# Altium PCB PCB2.PcbDoc (part 1 of 2)
Units mm, origin at the board's own origin, x right, y up, seen from the top; angles counter-clockwise.
Board outline 141.51 x 108.51 mm, 4 copper layers (L1 (Signal), L2 (GND), L3 (GND), L4 (Signal)), stack 1.605 mm thick; 124 components, 111 nets, 456 pads, 199 vias.
Unrouted connection lines stored in the file: 77.
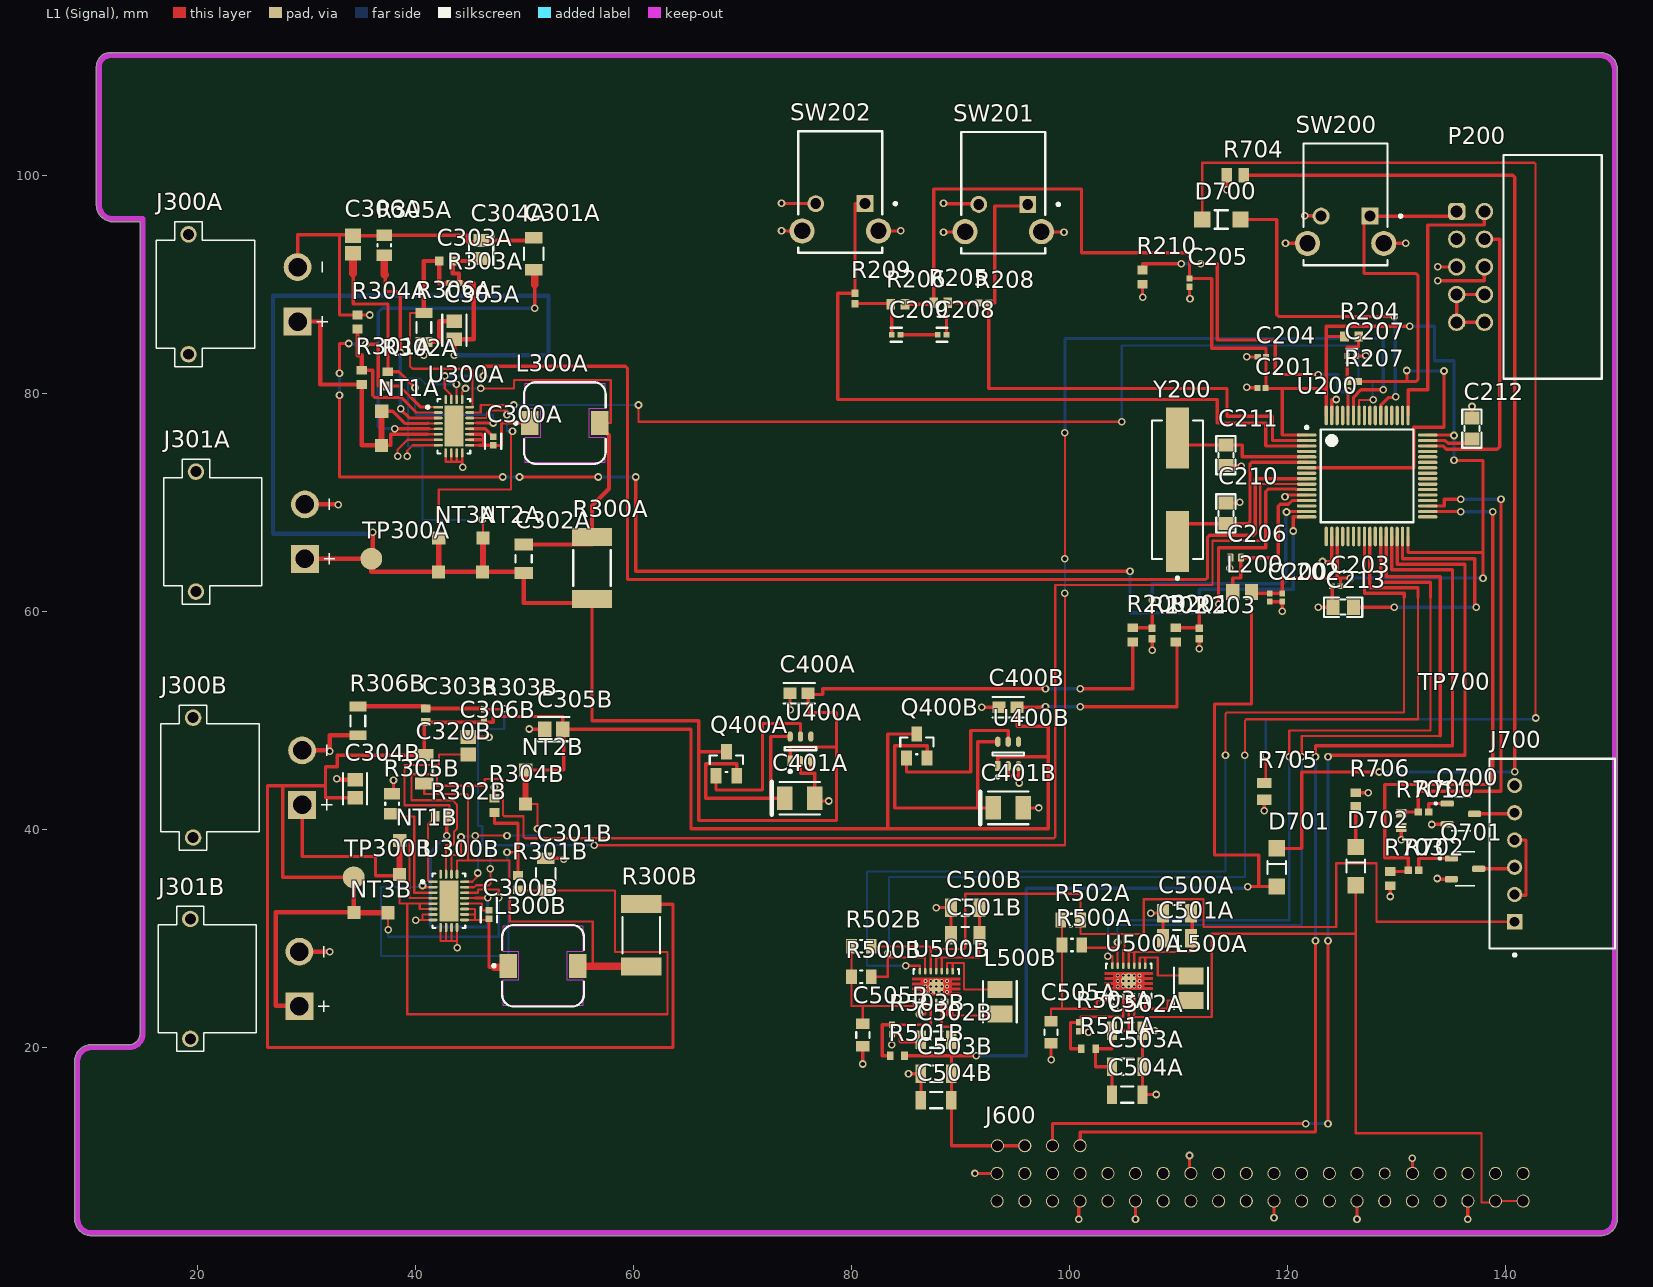
[diagram p0: L1 (Signal) view]
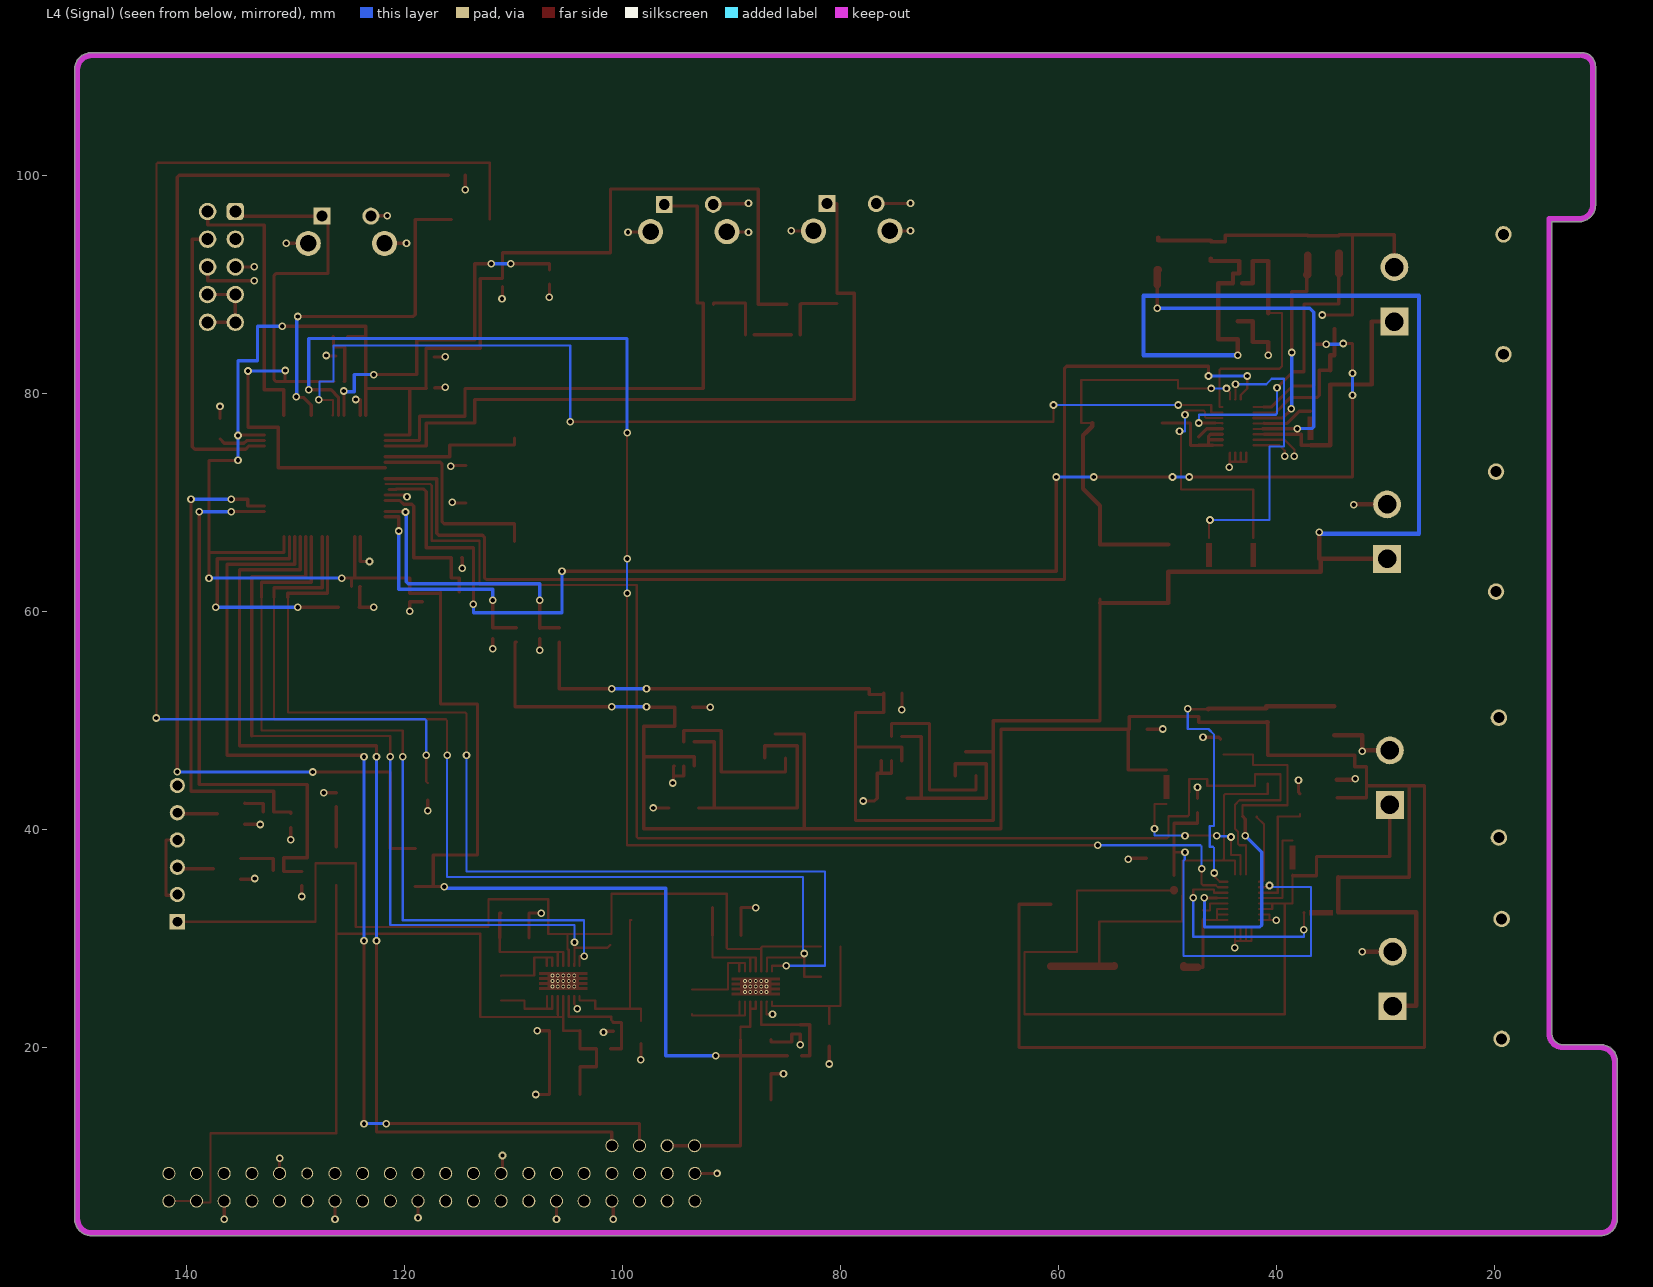
[diagram p1: L4 (Signal) view, seen from below]
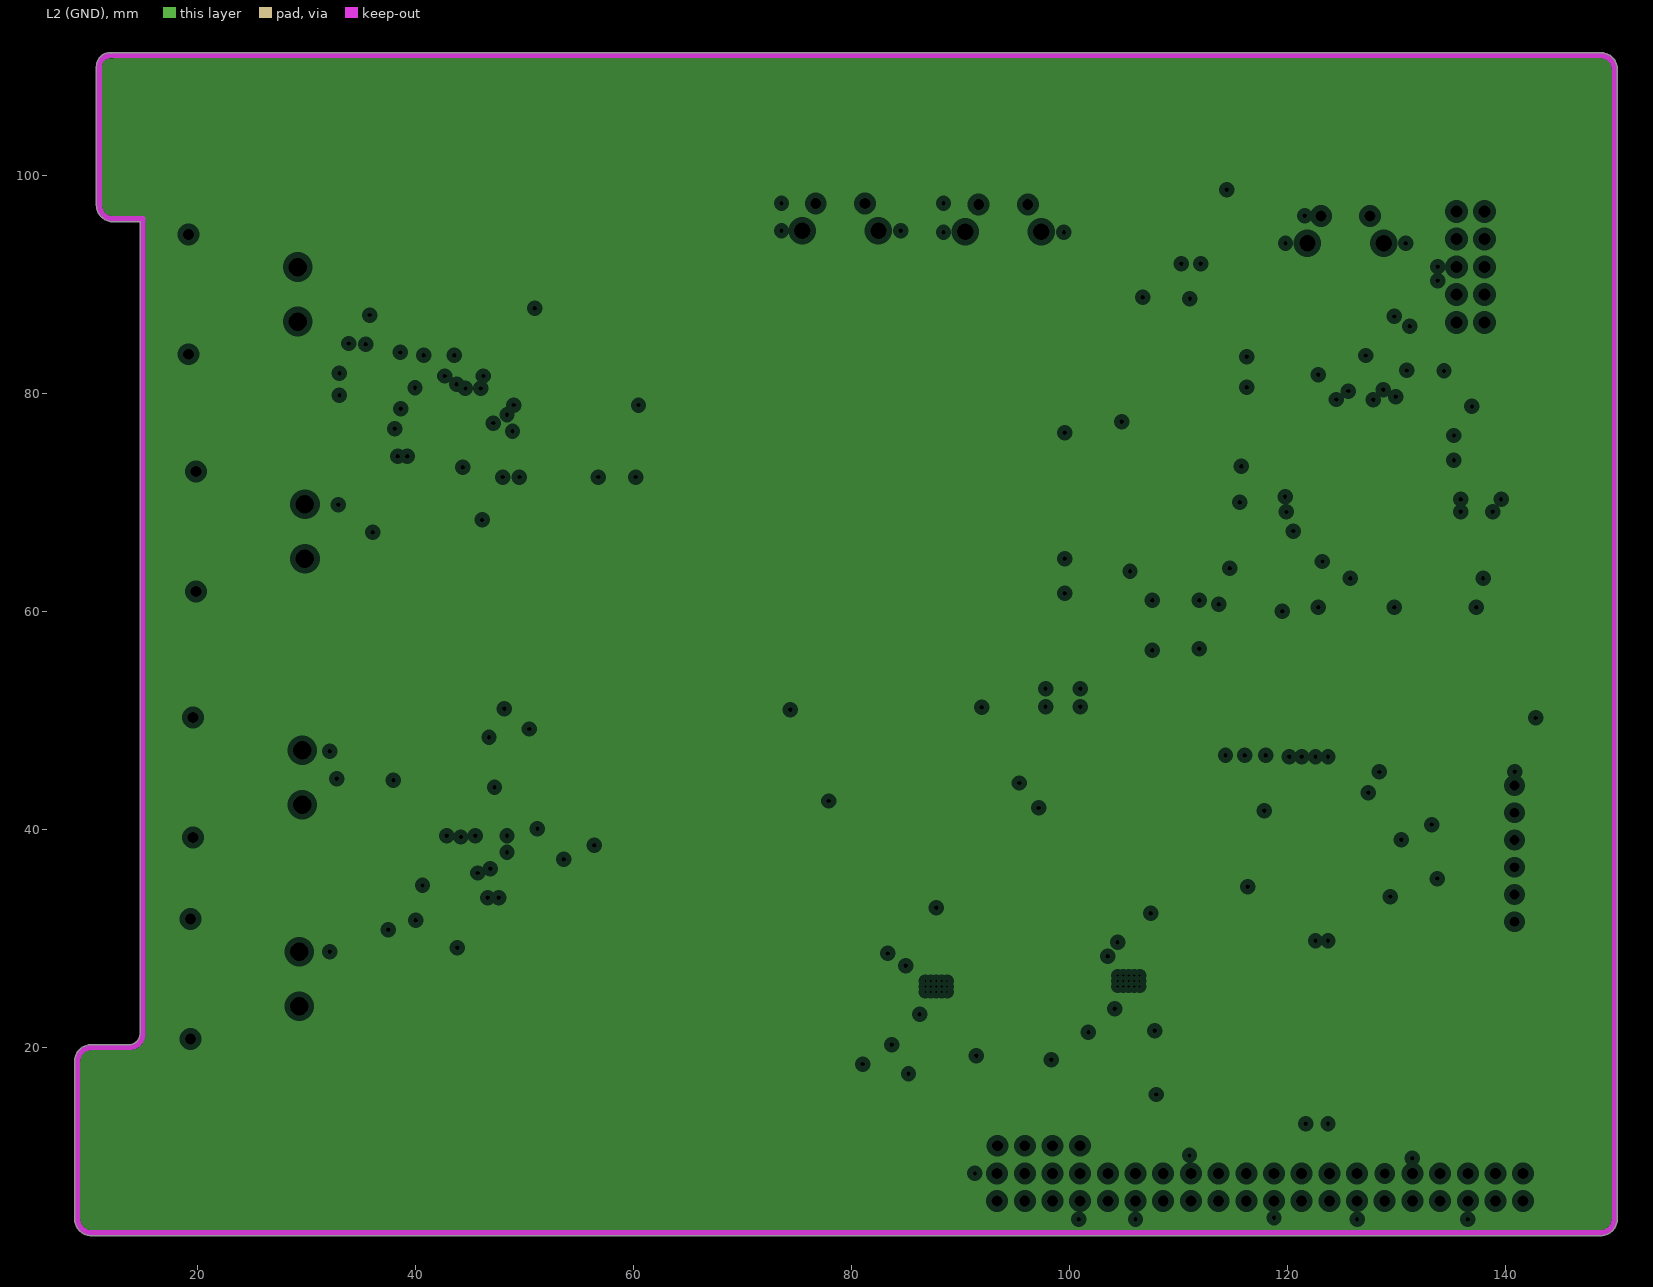
[diagram p2: L2 (GND), clearances drawn from the general rule]
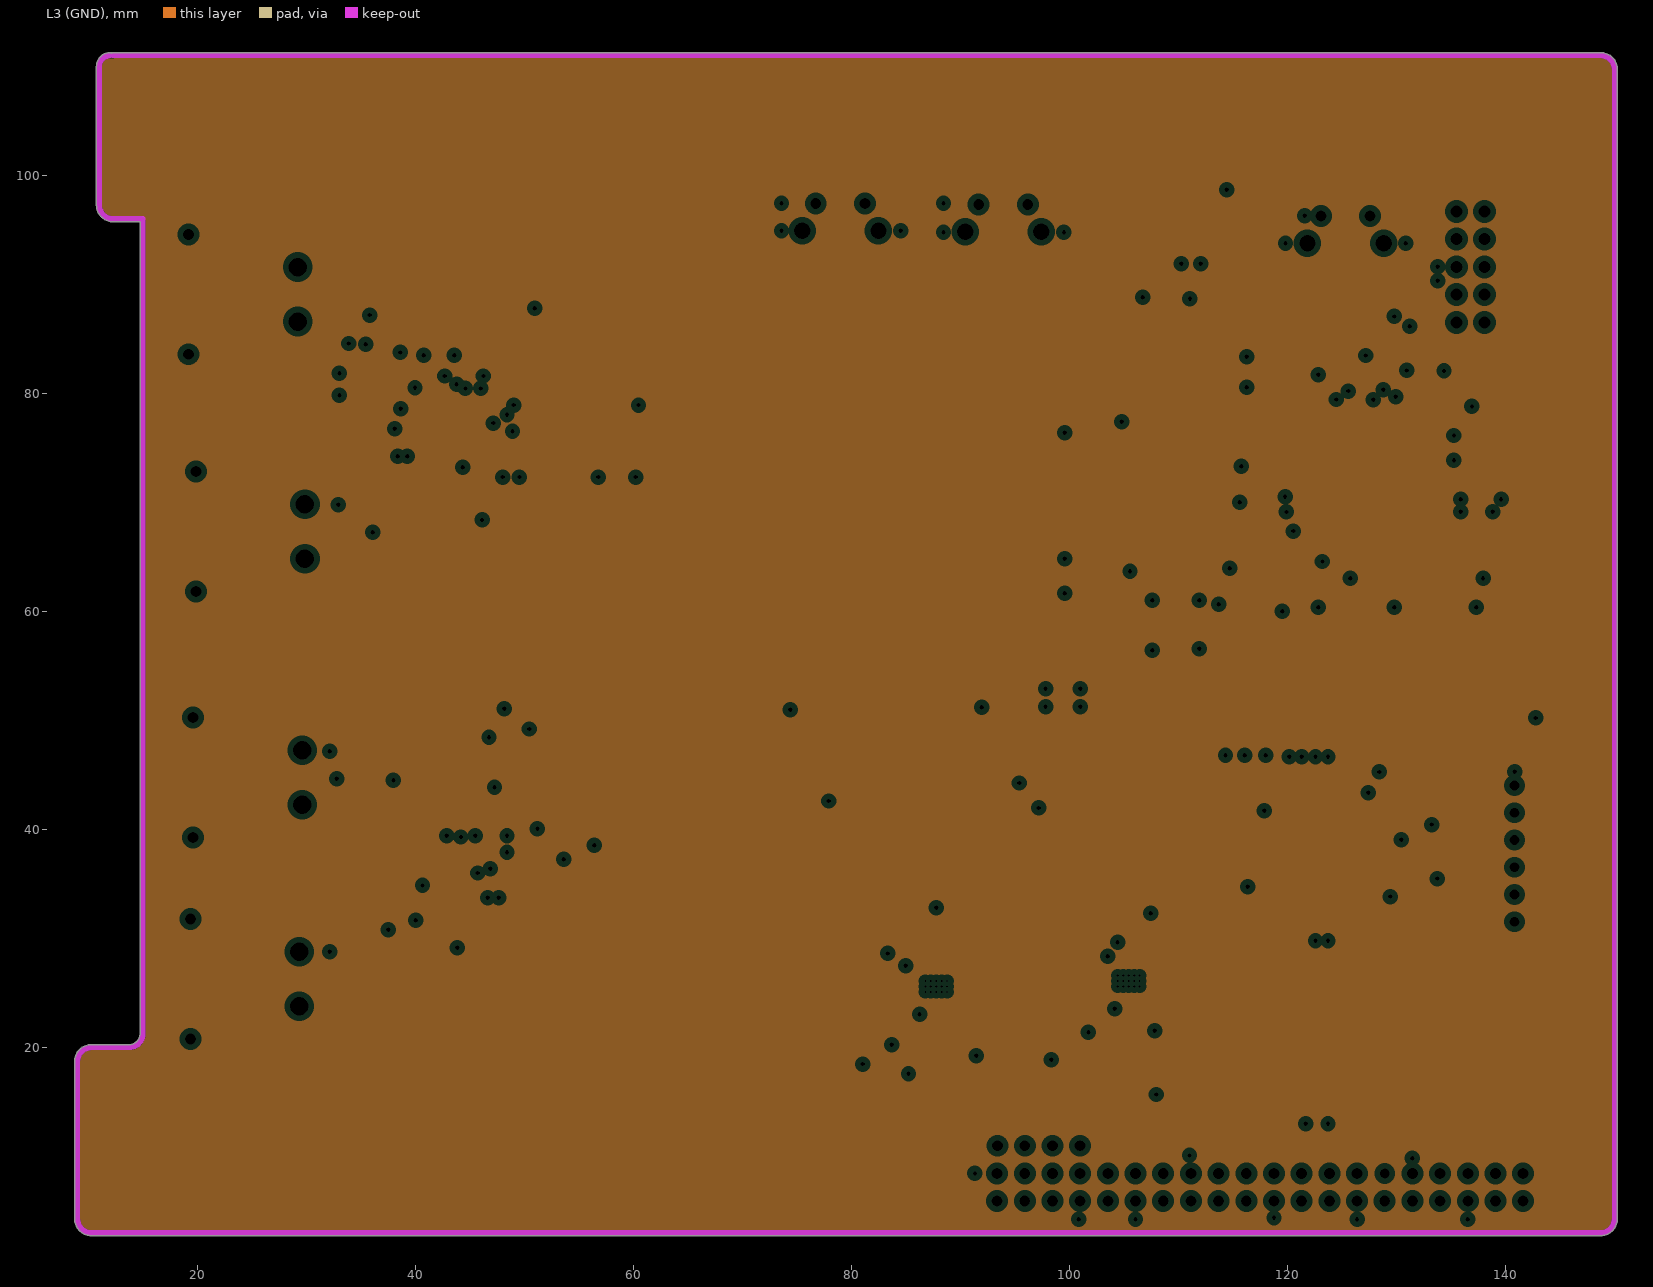
[diagram p3: L3 (GND), clearances drawn from the general rule]
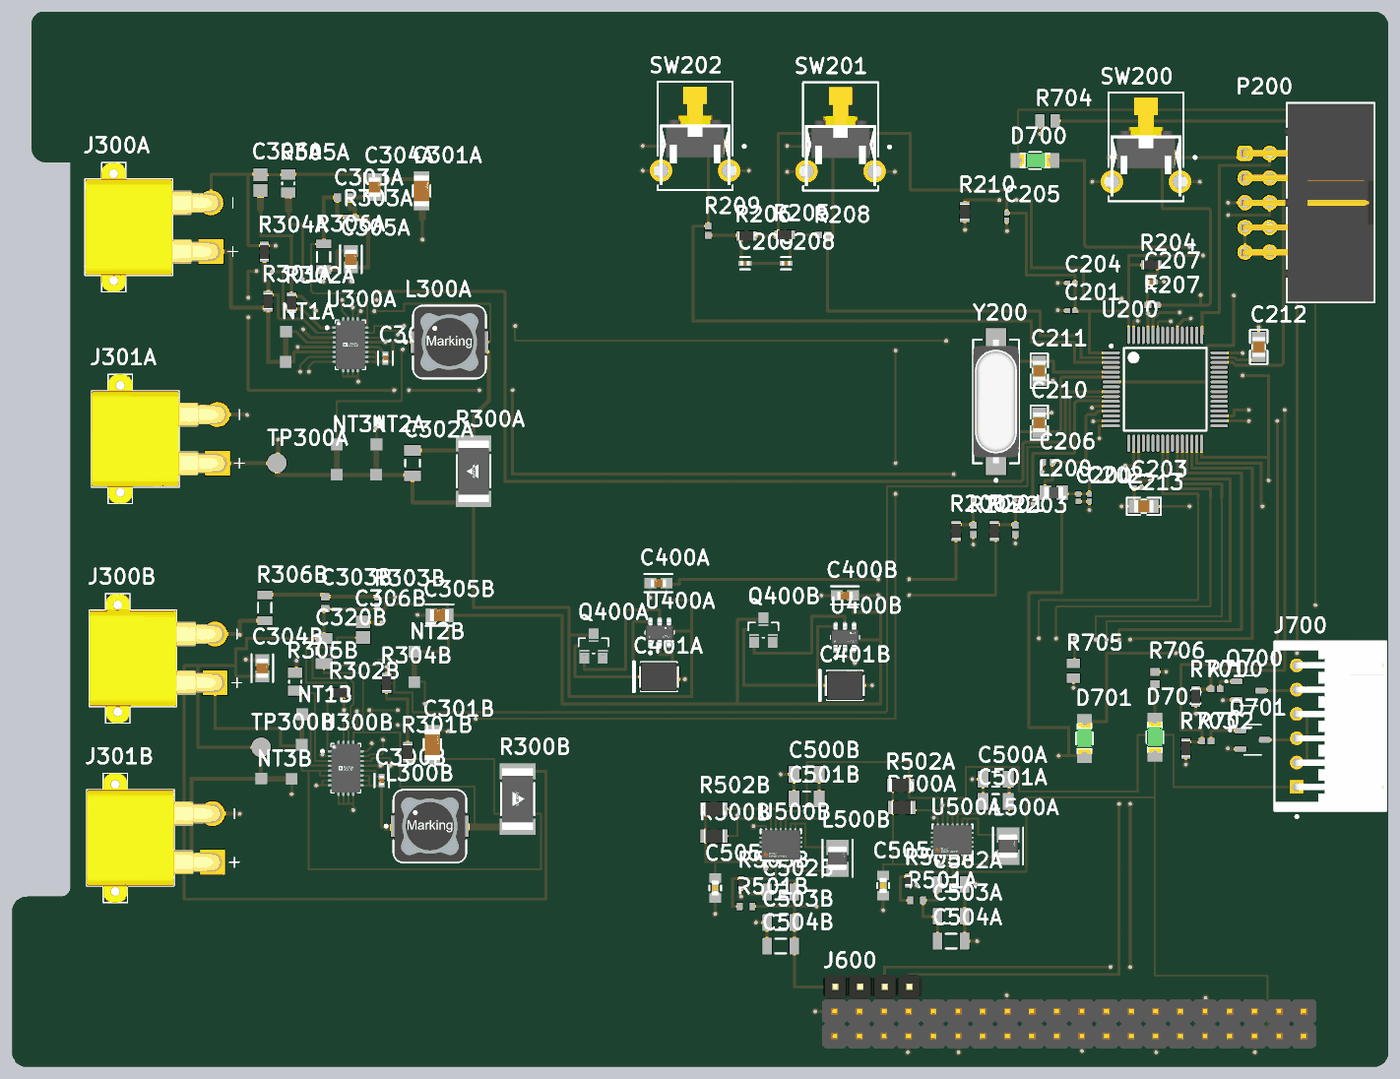
[diagram p5: 3D render of the assembled board from above, using the file's embedded part models]

## Layer stack, top to bottom
Top Solder: solder mask 0.0254, SM-001, Dk 4
L1 (Signal): signal copper 0.035
Dielectric 1: prepreg 0.2, PP-017, Dk 4.6
L2 (GND): plane copper 0.035
Dielectric 3: core 1.065, Core-039, Dk 4.6
L3 (GND): plane copper 0.035
Dielectric 5: prepreg 0.2, PP-017, Dk 4.6
L4 (Signal): signal copper 0.035
Bottom Solder: solder mask 0.0254, SM-001, Dk 4

## Board outline
8.746,4.27 ccw(c10.27,4.27) 10.27,2.746 148.73,2.746 ccw(c148.73,4.27) 150.254,4.27 150.254,109.73 ccw(c148.73,109.73) 148.73,111.254 12.27,111.254 ccw(c12.27,111) 12.135,111.216 ccw(c12,111) 12,111.254 ccw(c12,110) 10.746,110 10.746,97.27 ccw(c12.27,97.27) 12.27,95.746 14.746,95.746 14.746,21.27 cw(c13.73,21.27) 13.73,20.254 10.27,20.254 ccw(c10.27,18.73) 8.746,18.73

## Design rules (kind name [scope] priority, off if disabled: settings)
Clearance [All] p1: gap=0.2 ignorepadtopadclearanceinfootprint=FALSE
PlaneClearance [All] p1: clearance=0.508
PlaneConnect [All] p1: planeconnectstyle=Relief reliefexpansion=0.508 reliefentries=4 reliefconductorwidth=0.254 reliefairgap=0.254
PolygonConnect [All] p1: connectstyle=Direct reliefconductorwidth=0.254 reliefentries=4 polygonreliefangle="90 Angle" airgapwidth=0.254
RoomDefinition Buck-Bost_2 [InComponentClass('Buck-Bost_2')] p1: confinementstyle=ConfineIn formatcopy=TRUE lockcomponents=FALSE outline 73.166,13.482 96.407,13.482 96.407,36.894 73.166,36.894
RoomDefinition Buck-Boost_1 [InComponentClass('Buck-Boost_1')] p2: confinementstyle=ConfineIn formatcopy=TRUE lockcomponents=FALSE outline 96.915,14.017 117.5,14.017 117.5,36.75 96.915,36.75
RoomDefinition Board_Connect [InComponentClass('Board_Connect')] p3: confinementstyle=ConfineIn formatcopy=TRUE lockcomponents=FALSE outline 91.708,3.874 143.143,3.874 143.143,12.637 91.708,12.637
RoomDefinition IDEAL_DIODE_1 [InComponentClass('IDEAL_DIODE_1')] p4: confinementstyle=ConfineIn formatcopy=TRUE lockcomponents=FALSE outline 64.846,38.263 82.692,38.263 82.692,54.73 64.846,54.73
RoomDefinition MPPT_1 [InComponentClass('MPPT_1')] p5: confinementstyle=ConfineIn formatcopy=TRUE lockcomponents=FALSE outline 15.356,56.102 59.069,56.102 59.069,101.664 15.356,101.664
RoomDefinition MPPT_2 [InComponentClass('MPPT_2')] p6: confinementstyle=ConfineIn formatcopy=TRUE lockcomponents=FALSE outline 15.546,14.605 64.022,14.605 64.022,53.262 15.546,53.262
RoomDefinition IDEAL_DIODE_2 [InComponentClass('IDEAL_DIODE_2')] p7: confinementstyle=ConfineIn formatcopy=TRUE lockcomponents=FALSE outline 83.199,38.672 100.852,38.672 100.852,54.265 83.199,54.265
RoutingVias [All] p1: holewidth=0.3 width=0.7 viastyle="Through Hole" minholewidth=0.25 minwidth=0.55 maxholewidth=0.4 maxwidth=0.9
SolderMaskExpansion [All] p1: expansion=0.102 istentingtop=FALSE
Width [All] p1: maxlimit=0.7 minlimit=0.2 preferedwidth=0.3 minimp=50.000000 maximp=50.000000 favimp=50.000000
28 further rules are at their usual default settings.

## Classes and differential pairs
component class MPPT_2: C300B C301B C303B C304B C305B C306B C320B J300B J301B L300B NT1B NT2B NT3B R300B R301B R302B R303B R304B R305B R306B TP300B U300B
component class MPPT_1: C300A C301A C302A C303A C304A C305A C306A J300A J301A L300A NT1A NT2A NT3A R300A R301A R302A R303A R304A R305A R306A TP300A U300A
component class MICROCONTROLER: C200 C201 C202 C203 C204 C205 C206 C207 C208 C209 C210 C211 C212 C213 D700 L200 P200 R200 R201 R202 R203 R204 R205 R206 R207 R208 R209 R210 R704 SW200 SW201 SW202 U200 Y200
component class LED_CONNECTOR: D700 D701 D702 Q700 Q701 R700 R701 R702 R703 R704 R705 R706 TP700 TP701
component class IDEAL_DIODE_2: C400B C401B Q400B U400B
component class IDEAL_DIODE_1: C400A C401A Q400A U400A
component class Buck-Bost_2: C500B C501B C502B C503B C504B C505B L500B R500B R501B R502B R503B U500B
component class Buck-Boost_1: C500A C501A C502A C503A C504A C505A L500A R500A R501A R502A R503A U500A
component class Board_Connect: J600

## Components (designator, comment, footprint, x,y, rotation, side; value= is the part's Value field where it differs from the comment)
C200 "4u7" CAPC1005X55X30LL05T10 118.378,61.278 r90 top
C201 "100n" CAPC1005X55X30LL05T10 117.619,80.499 r0 top
C202 "100n" CAPC1005X55X30LL05T10 119.521,61.278 r90 top
C203 "100n" CAPC1005X55X30LL05T10 124.474,62.294 r0 top
C204 "100n" CAPC1005X55X30LL05T10 117.654,83.348 r0 top
C205 "100n" CAPC1005X55X30LL05T10 111.015,90.167 r90 top
C206 "1u" CAPC1005X70N 115.241,64.933 r0 top
C207 "100n" FP-C0402-BB-MFG 125.874,83.435 r0 top value="0.10 μF"
C208 "100n" FP-C0402-BB-MFG 88.317,85.38 r180 top value="0.10 μF"
C209 "100n" FP-C0402-BB-MFG 84.107,85.38 r0 top value="0.10 μF"
C210 "20pF" "tu 0805" 114.352,68.997 r90 top
C211 "20pF" "tu 0805" 114.352,74.331 r270 top
C212 "2u2" "tu 0805" 136.92,76.772 r90 top
C213 "2u2" "tu 0805" 125.109,60.389 r180 top
C300A "100n" FP-0402B104K500CT-IPC_C 47.131,75.629 r270 top
C300B "100n" FP-0402B104K500CT-IPC_C 46.75,32.195 r270 top
C301A "10u" FP-GRM31C-0_2-e0_3_0_8-MFG 50.862,92.821 r90 top
C301B "10u" FP-GRM31C-0_2-e0_3_0_8-MFG 51.957,35.878 r90 top
C302A "1u" CAPC3216X110X50LL20T25 49.925,64.834 r270 top
C303A "10p" CAPC1608X90X35LL10T15 42.813,92.139 r180 top
C303B "10p" CAPC1608X90X35LL10T15 40.946,50.468 r90 top
C304A "22u" FP-GRM21B-0_15-IPC_B 46.036,93.202 r90 top
C304B "22u" FP-GRM21B-0_15-IPC_B 34.469,43.737 r90 top
C305A "22u" FP-GRM21B-0_15-IPC_B 43.575,85.789 r90 top
C305B "22u" FP-GRM21B-0_15-IPC_B 52.693,49.198 r180 top
C306A "1u" CAPC2013X140X50NL20T25 34.279,93.663 r270 top
C306B "1u" CAPC2013X140X50NL20T25 44.845,47.689 r270 top
C320B "1u" CAPC3216X110X50LL20T25 40.819,45.515 r90 top
C400A "100n" FP-0603-L_1_6_0_15-W_0_81-IPC_A 75.199,52.487 r180 top
C400B "100n" FP-0603-L_1_6_0_15-W_0_81-IPC_A 94.375,51.217 r180 top
C401A "22u" KEMT-T491-B_L 75.26,42.863 r0 top
C401B "22u" KEMT-T491-B_L 94.375,41.974 r0 top
C500A "10u" CAPC3216X180X50LL20T25 109.869,32.322 r0 top
C500B "10u" CAPC3216X180X50LL20T25 90.438,32.83 r0 top
C501A "10u" CAPC3216X180X50LL20T25 109.869,30.036 r0 top
C501B "10u" CAPC3216X180X50LL20T25 90.438,30.29 r0 top
C502A "22u" CAPC1206(3216)190_L 105.297,21.527 r180 top value=22uF
C502B "22u" CAPC1206(3216)190_L 87.771,20.721 r0 top value=22uF
C503A "22u" CAPC1206(3216)190_L 105.297,18.225 r180 top value=22uF
C503B "22u" CAPC1206(3216)190_L 87.771,17.59 r0 top value=22uF
C504A "22u" CAPC1206(3216)190_L 105.297,15.685 r180 top value=22uF
C504B "22u" CAPC1206(3216)190_L 87.771,15.177 r0 top value=22uF
C505A "100n" FP-CGA3E-0_3-0_1-IPC_A 98.312,21.4 r270 top
C505B "100n" FP-CGA3E-0_3-0_1-IPC_A 81.04,21.146 r270 top
D700 "LED" FP-HSMG-C150-MFG 113.933,95.949 r0 top
D701 "LED" FP-HSMG-C150-MFG 119.013,36.513 r270 top
D702 "LED" FP-HSMG-C150-MFG 126.252,36.64 r270 top
J300A "XT30PW-M" AMASS_XT30PW-M 19.191,89.091 r90 top
J300B "XT30PW-M" AMASS_XT30PW-M 19.61,44.753 r90 top
J301A "XT30PW-M" AMASS_XT30PW-M 19.87,67.318 r90 top
J301B "XT30PW-M" AMASS_XT30PW-M 19.356,26.289 r90 top
J600 "RPI GPIO Cconnector + 4 Cubesat pins" "RPI GPIO" 141.619,8.446 r270 top
J700 "S6B-XH-A (LF)(SN)" FP-S6B-XH-A_LF_SN-MFG 144.286,37.783 r270 top
L200 "4u7" INDC2012X100N 115.838,61.786 r180 top
L300A "10u" WE-PD_7345 53.71,77.28 r0 top
L300B "10u" WE-PD_7345 51.703,27.496 r0 top
L500A "1u5" FP-DFE252010C-IPC_A 111.15,25.447 r90 top
L500B "1u5" FP-DFE252010C-IPC_A 93.613,24.194 r90 top
NT1A "Nettie" NET_TIE 36.844,76.772 r90 top
NT1B "Nettie" NET_TIE 38.495,37.402 r90 top
NT2A "Nettie" NET_TIE 46.242,65.215 r270 top
NT2B "Nettie" NET_TIE 50.052,43.864 r90 top
NT3A "Nettie" NET_TIE 42.178,65.215 r270 top
NT3B "Nettie" NET_TIE 35.955,32.322 r180 top
P200 "61201021721" 61201021721 144.324,91.603 r90 top
Q400A "TPCA8120" FP-527AG-MFG 68.529,46.038 r90 top
Q400B "TPCA8120" FP-527AG-MFG 85.993,47.661 r90 top
Q700 "AO3400A" SOT95P280X125-3N 135.904,41.433 r0 top